# Allegro board P2597_B04_Allegro_layout.brd (continued)
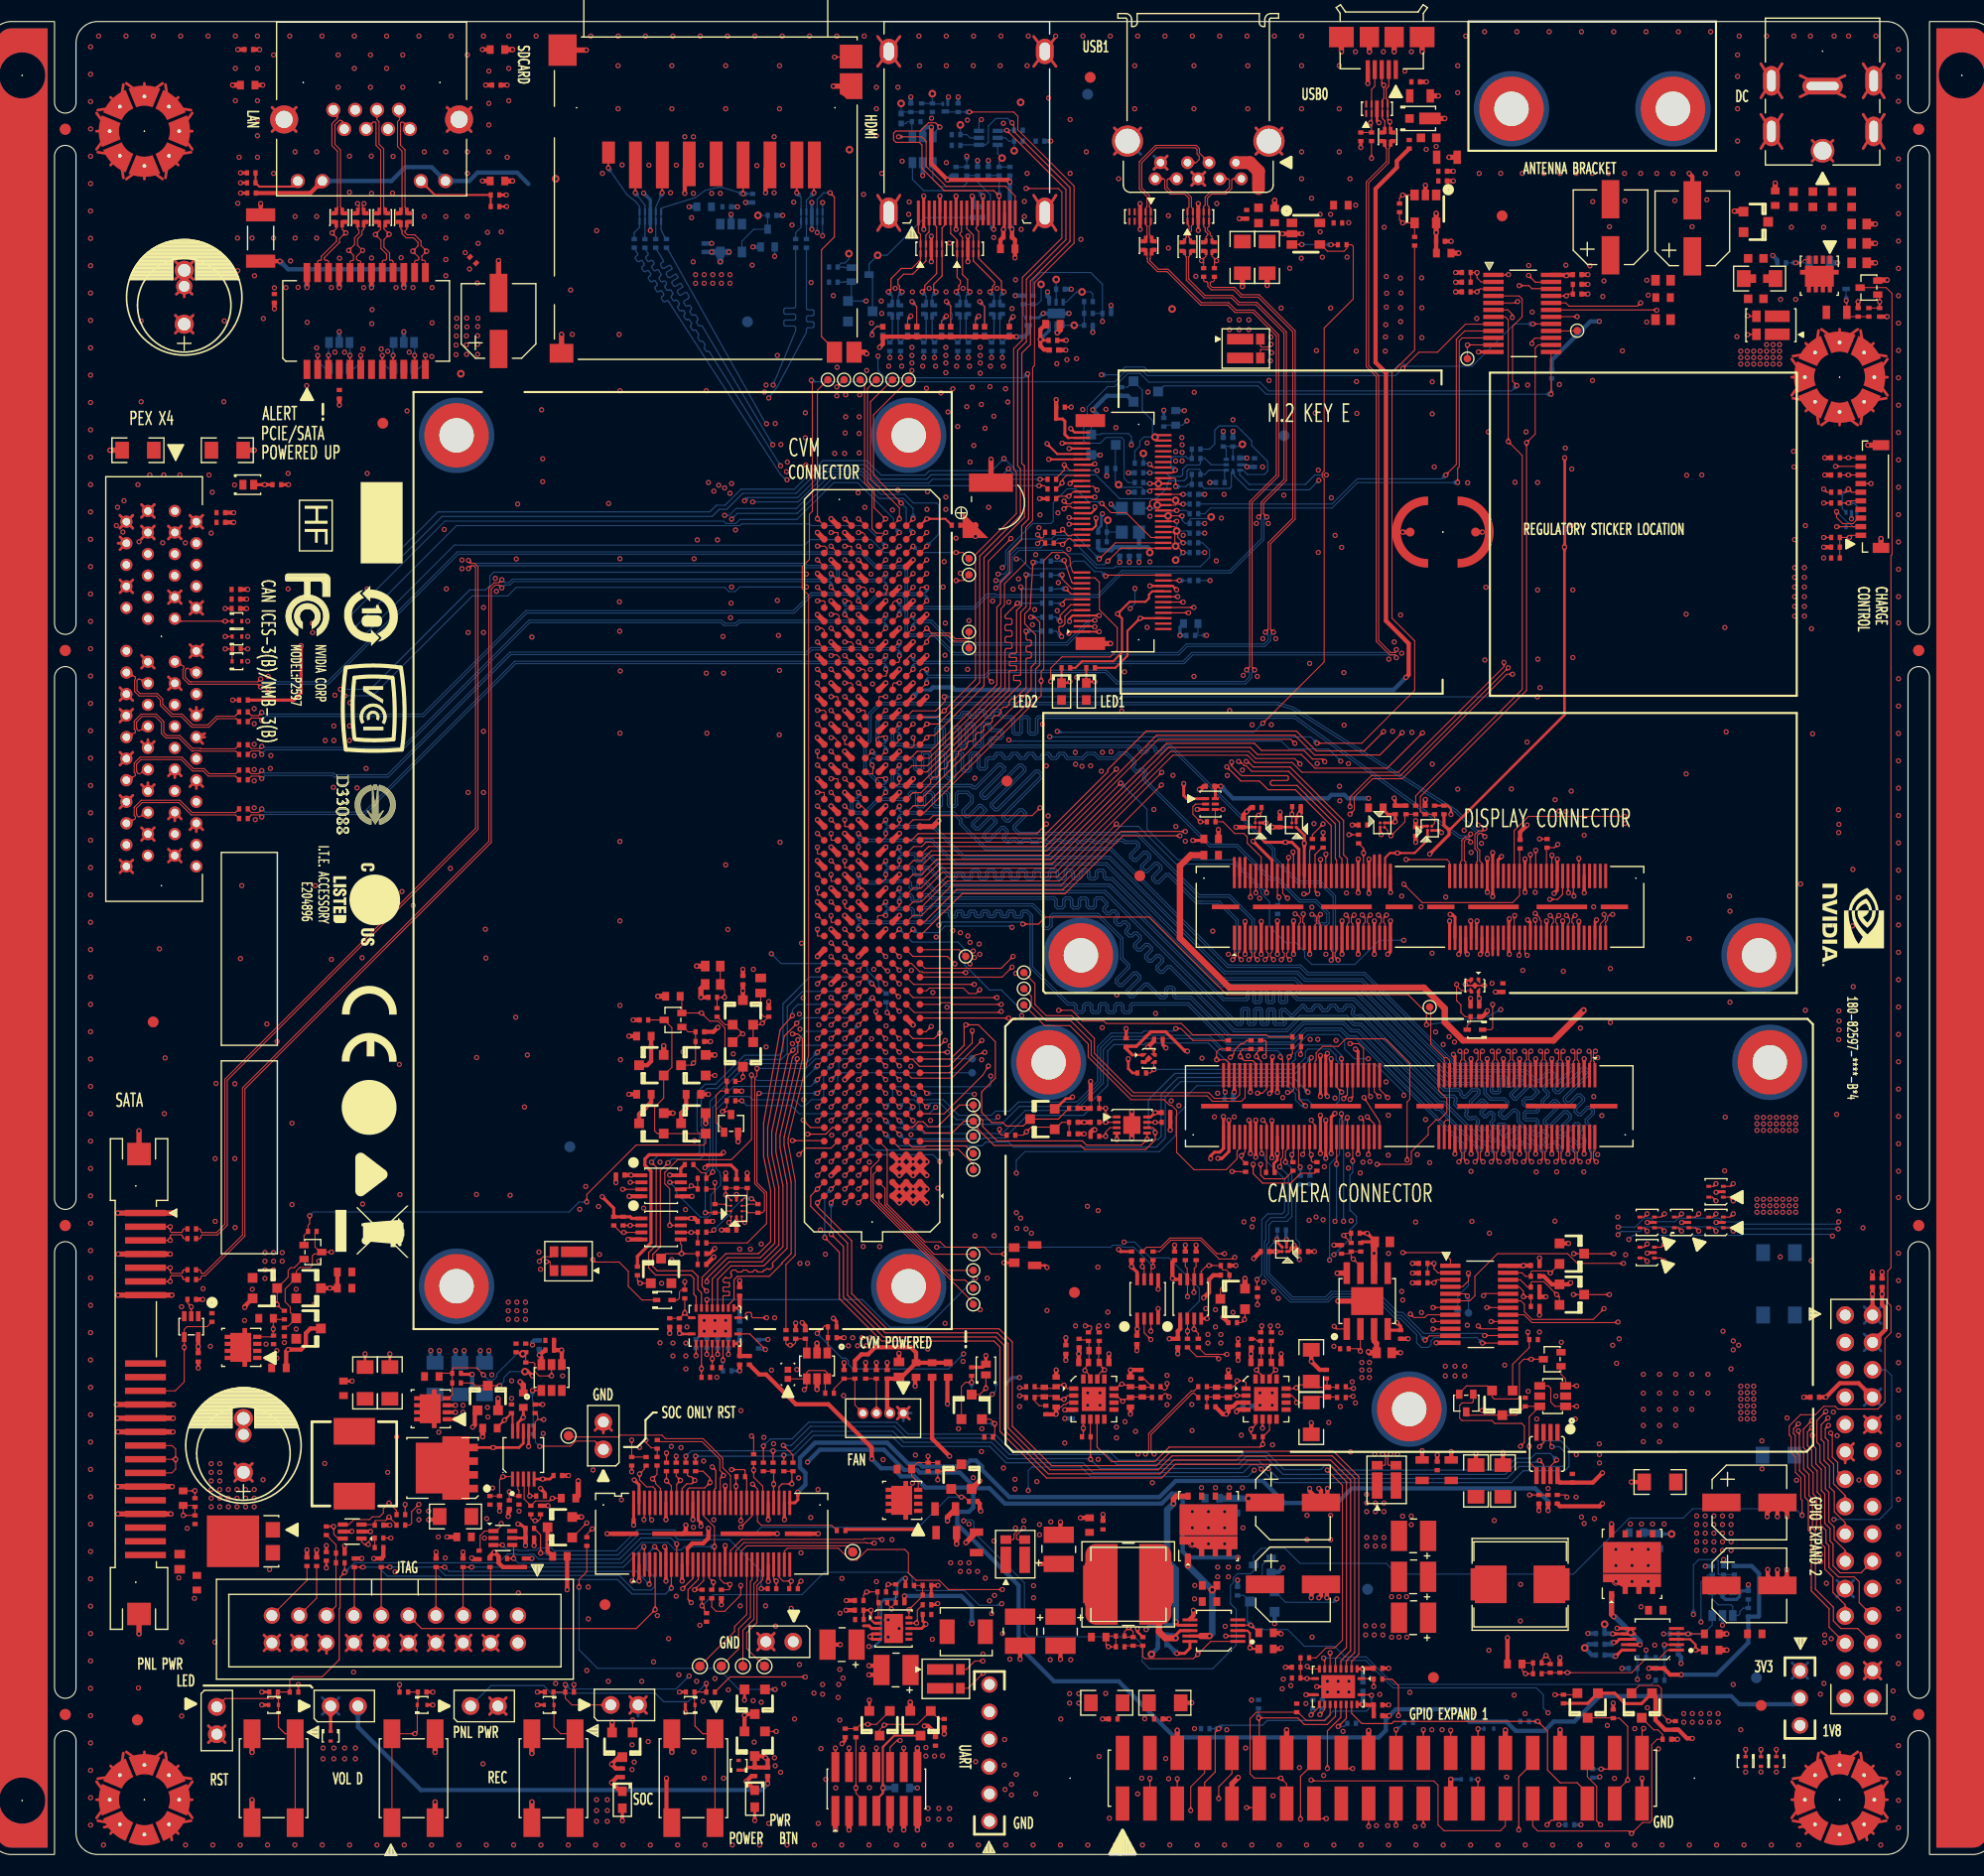
[diagram p0: board, top side]
## Placement (name value [footprint] x y rotation side) (continued)
C103  0.1uF  [0402]  110.05 55.58 90 top
C104  0.1uF  [0402]  110.35 47.48 90 top
C105  0.1uF  [0402]  112.75 146.88 90 top
C106  1uF  [0603]  113.3 24.98 180 top
C107  1uF  [0603]  113.3 23.48 180 top
C108  0.1uF  [0402]  113.35 99.18 180 top
C109  0.1uF  [0402]  113.75 146.88 90 top
C110  4.7uF  [0402_LARGE]  113.95 42.93 90 top
C111  4.7uF  [0402_LARGE]  115.05 43.88 90 top
C112  4.7uF  [0402_LARGE]  115.05 41.98 90 top
C113  100uF  [1206]  116.35 148.28 270 top
C114  1uF  [0402]  116.45 95.78 90 top
C115  0.1uF  [0402]  116.75 152.28 270 top
C116  4.7uF  [0402_LARGE]  117.6 45.68 0 top
C117  1uF  [0402]  118.45 55.98 180 top
C118  4.7uF  [0402_LARGE]  118.55 46.78 0 top
C119  1uF  [0603]  118.55 20.58 0 top
C120  4.7uF  [0603]  118.55 19.08 0 top
C121  100uF  [1206]  118.65 148.28 270 top
C122  470pF  [0603]  119.35 152.18 90 top
C123  4.7uF  [0402_LARGE]  119.5 45.68 0 top
C124  1uF  [0402]  119.85 95.78 90 top
C125  56uF  [CAP_SMD_066X066]  121.05 32.68 0 top
C126  56uF  [CAP_SMD_066X066]  121.05 25.08 0 top
C127  4.7uF  [0603]  125.5 153.13 0 top
C128  1uF  [0402]  122.05 55.98 0 top
C129  4.7uF  [1206]  122.75 45.38 270 top
C130  4.7uF  [1206]  122.75 40.48 270 top
C131  0.1uF  [0402]  125.22 151.48 0 top
C132  4.7uF  [0402_LARGE]  124.25 42.93 270 top
C133  150pF  [0402]  126.45 56.38 270 top
C134  100pF  [0402]  127.35 159.48 270 top
C135  1uF  [0402]  127.55 95.58 180 top
C136  0.1uF  [0402]  128.95 17.28 0 top
C137  0.1uF  [0402]  128.95 13.88 0 top
C138  22uF  [0603_LARGE]  129.35 56.88 0 top
C139  22uF  [0603_LARGE]  129.52 46.58 0 top
C140  1uF  [0402]  130.55 96.98 90 top
C141  1uF  [0402]  131.05 48.28 270 top
C142  220uF  [CAP_SMD_3528]  132.25 29.58 180 top
C143  220uF  [CAP_SMD_3528]  132.25 25.78 180 top
C144  220uF  [CAP_SMD_3528]  132.25 21.98 180 top
C145  10nF  [0402]  132.45 164.58 0 top
C146  1uF  [0402]  132.45 94.98 270 top
C147  4.7uF  [0805]  132.85 163.28 0 top
C148  22uF  [0805]  133.05 35.68 90 top
C149  0.1uF  [0402]  134.45 36.08 90 top
C150  0.1uF  [0402]  134.75 149.78 0 top
C151  0.1uF  [0402]  134.95 156.28 0 top
C152  4.7uF  [0603]  135.05 148.68 0 top
C153  1uF  [0805]  135.35 157.58 0 top
C154  22uF  [0805]  135.75 35.68 90 top
C155  1uF  [0402]  137.95 78.78 180 top
C156  100uF  [1206]  138.05 34.68 90 top
C157  1uF  [0402]  140.55 80.48 270 top
C158  100uF  [1206]  140.55 34.68 90 top
C159  0.1uF  [0402]  143.55 54.68 0 top
C160  0.1uF  [0402]  147 34.93 90 top
C161  150pF  [0402]  144.95 17.28 270 top
C162  0.1uF  [0402]  147.45 146.68 0 top
C163  1uF  [0603]  163.95 20.48 0 top
C164  1uF  [0603]  154.75 22.68 180 top
C165  22uF  [1206]  155.15 34.58 180 top
C166  10uF  [0603_LARGE]  155.43 146.16 180 top
C167  0.1uF  [0603]  155.43 144.55 180 top
C168  10uF  [0603_LARGE]  155.43 142.51 180 top
C169  56uF  [CAP_SMD_066X066]  158.15 150.98 90 top
C170  1uF  [0603]  159.95 20.48 0 top
C171  4.7uF  [0603]  159.95 18.98 0 top
C172  56uF  [CAP_SMD_066X066]  163.45 32.68 0 top
C173  56uF  [CAP_SMD_066X066]  163.45 24.98 0 top
C174  0.1uF  [0603]  165.85 153.78 90 top
C175  0.1uF  [0402]  169.53 42.45 180 top
C176  0.47uF  [0805]  171.55 143.18 0 top
C177  10uF  [0603_LARGE]  173.65 151.38 0 top
C178  10uF  [0603_LARGE]  173.65 149.58 0 top
C179  10uF  [0603_LARGE]  173.65 147.78 0 top
C180  0.1uF  [0402]  175.78 53.08 90 top
C181  0.1uF  [0402]  174.89 53.08 90 top
C200  56uF  [CAP_SMD_066X066]  150.55 151.08 90 top
C201  4.7uF  [0603_LARGE]  71.6 80.68 90 top
C202  0.1uF  [0402]  51.02 47.33 90 bottom
C203  0.1uF  [0402]  52 47.73 180 top
C204  10nF  [0402]  48.88 47.03 90 top
C205  100pF  [0402]  24.05 167.58 0 top
C501  4.7uF  [0805]  169.95 147.78 180 bottom
C502  0.1uF  [0402]  160 26.36 90 bottom
C503  680pF  [0603]  152.95 29.88 180 bottom
C504  0.1uF  [0402]  149.6 19.52 0 bottom
C505  0.1uF  [0402]  116.85 41.63 0 bottom
C506  0.1uF  [0402]  117.47 129.23 90 bottom
C507  0.1uF  [0402]  115.47 131.13 90 bottom
C508  680pF  [0603]  113.55 33.08 180 bottom
C509  10uF  [0603]  111.55 114.28 180 bottom
C510  0.1uF  [0402]  111.55 113.18 180 bottom
C511  10uF  [0603]  110.15 133.38 90 bottom
C512  0.1uF  [0402]  109.05 132.98 90 bottom
C513  0.1uF  [0402]  108.9 20.38 0 bottom
C514  10nF  [0402]  106.75 120.98 270 bottom
C515  0.1uF  [0402]  103.35 122.78 180 bottom
C516  0.1uF  [0402]  100.55 40.88 270 bottom
C517  0.1uF  [0402]  97.55 159.08 0 bottom
C518  0.1uF  [0402]  94.05 139.98 90 bottom
C519  0.1uF  [0402]  93.05 139.98 90 bottom
C520  4.7pF  [0402]  92.75 156.28 90 bottom
C521  4.7pF  [0402]  91.75 156.28 90 bottom
C522  12pF  [0402]  91.75 152.98 180 bottom
C523  0.1uF  [0402]  90.9 139.98 90 bottom
C524  0.1uF  [0402]  89.9 139.98 90 bottom
C525  0.1uF  [0402]  87.75 139.98 90 bottom
C526  0.1uF  [0402]  86.75 139.98 90 bottom
C527  12pF  [0402]  86.05 160.88 0 bottom
C528  12pF  [0402]  85.55 162.18 90 bottom
C529  1uF  [0603]  84.75 6.18 0 bottom
C530  0.1uF  [0402]  84.6 139.98 90 bottom
C531  0.1uF  [0402]  83.6 139.98 90 bottom
C532  12pF  [0402]  70.85 153.78 270 bottom
C533  0.1uF  [0402]  68.45 152.98 0 bottom
C534  10uF  [0603]  66.35 152.98 180 bottom
C535  1uF  [0402]  66.35 149.18 90 bottom
C536  100uF  [1206]  45.95 44.18 90 bottom
C537  100uF  [1206]  43.65 44.18 90 bottom
C538  100uF  [1206]  41.35 44.18 90 bottom
CR1  -  [LED_SMD_0603_ST]  58.75 5.08 90 top
CR2  -  [LED_SMD_0603_ST]  71.05 5.18 90 top
CR3  -  [LED_SMD_0603_ST]  99.55 107.98 90 top
CR4  -  [LED_SMD_0603_ST]  101.85 107.98 90 top
CR5  -  [LED_SMD_0402_ST]  92.52 45.03 270 top
CR6  -  [LED_SMD_0402_ST]  24 127.18 180 top
CR501  -  [SOT323]  80.85 146.68 270 bottom
D1  -  [DIODE_SMD_TO277A]  23.55 29.08 90 top
D2  -  [DIODE_SMD_SOD923]  26.35 13.88 180 top
D3  -  [DIODE_SMD_SOD923]  40.15 13.88 0 top
D4  -  [DIODE_SMD_SOD923]  51.95 13.88 180 top
D5  -  [SOT323]  63.45 77.48 270 top
D6  -  [DIODE_SMD_SOD923]  65.05 13.88 180 top
D7  -  [SOT23]  69.95 78.18 0 top
D8  -  [TSLP10_P050_025X010]  106.85 152.08 180 top
D9  -  [TSLP10_P050_025X010]  112.25 152.08 0 top
D10  -  [TSLP10_P050_025X010]  128.85 162.08 0 top
D11  -  [DIODE_SMD_025X013]  132.85 161.18 180 top
D12  -  [DIODE_SMD_SOD523_B]  137.95 76.58 180 top
D13  -  [SOT23]  164.05 151.58 270 top
D14  -  [DIODE_SMD_SOD923]  31.65 10.98 270 top
D15  -  [DIODE_SMD_SOD923]  69.55 8.28 90 top
D16  -  [DIODE_SMD_SOD523_B]  62.65 51.48 0 top
D17  VAL  [DIODE_SMD_010X060]  74.12 44.58 90 top
D18  -  [SOT323]  30 55.93 90 top
D19  -  [DIODE_SMD_SOD923]  22.95 114.5 0 top
D20  -  [DIODE_SMD_SOD923]  22.95 113.08 0 top
D21  -  [DIODE_SMD_SOD923]  22.95 110.78 0 top
D22  -  [SOT553]  157.15 58.68 90 top
D23  -  [SOT553]  153.95 55.88 90 top
D24  -  [SOT553]  153.95 58.68 90 top
D25  -  [SOT553]  160.35 58.68 90 top
D26  -  [SOT553]  160.35 61.53 90 top
D27  -  [DIODE_SMD_SOD923]  165.95 8.63 270 top
D28  -  [DIODE_SMD_SOD923]  164.53 8.63 270 top
D29  -  [DIODE_SMD_SOD923]  163.1 8.63 270 top
D30  -  [DIODE_SMD_SOD923]  93.91 43.69 0 bottom
D31  -  [DIODE_SMD_SOD523_B]  173.15 145.36 0 bottom
D32  -  [DIODE_SMD_SOD923]  137.15 6.98 180 bottom
D33  -  [DIODE_SMD_SOD923]  139.25 11.68 0 bottom
D34  -  [SOT553]  172.92 123.93 0 bottom
D501  -  [TSLP10_P050_025X010]  90.85 149.08 0 top
D502  -  [TSLP10_P050_025X010]  87.45 149.08 0 top
D503  -  [SOT23_6]  86.65 158.28 180 bottom
D504  -  [TSLP10_P050_025X010]  76.35 152.08 0 bottom
D505  -  [TSLP10_P050_025X010]  61.35 152.08 0 bottom
D506  -  [SOT23_6]  38.45 139.18 0 bottom
D507  -  [SOT23_6]  32.45 139.18 0 bottom
F1  0ohm  [1206]  103.75 14.08 0 top
F2  0ohm  [1206]  109.15 14.08 0 top
F3  0ohm  [1206]  166.2 50.08 0 bottom
F4  0ohm  [1206]  166.2 55.88 0 bottom
F5  0ohm  [1206]  166.15 37.08 0 bottom
J1  -  [CON_SATA_022_SMT_RA_F_P013]  13.85 43.68 270 top
J2  -  [CON_PEX_064_SMT_ST]  17.18 124.74 270 top
J3  -  [CON_HDR_001X002_TH_ST_M_P025]  21.07 13.71 90 top
J4  -  [CON_HDR_001X002_TH_ST_M_P025]  31.65 13.78 180 top
J5  -  [CON_MJ08_012_TH_RA_2LED]  31.9 161.98 180 top
J6  -  [CON_HDR_001X002_TH_ST_M_P025]  44.65 13.78 180 top
J7  -  [CON_HDR_002X010_TH_ST_M_P025_SHR]  49.05 22.18 0 top
J8  -  [CON_HDR_001X002_TH_ST_M_P025]  56.98 37.61 270 top
J9  -  [CON_HDR_001X002_TH_ST_M_P025]  57.68 13.88 180 top
J10  -  [CON_QSH_060_SMT_ST_P005]  67.05 29.78 0 top
J11  -  [CON_HDR_001X002_TH_ST_M_P025]  74.62 19.76 0 top
J12  -  [CON_SD_012_SMD_RA]  78.5 162.18 90 top
J13  -  [CON_FMC_050X008_BGA_ST_M_P013]  81.95 91.81 90 top
J14  -  [CON_FTSH_002X007_SMD_ST_M_P013]  82.35 6.08 0 top
J15  -  [CON_MISC_004_TH_ST_M_P013_WTB]  84.85 40.98 0 top
J16  -  [CON_HDMI_019_SMD_RA_F_C]  90.75 160.83 180 top
J17  -  [CON_HDR_001X006_TH_ST_M_P025]  92.85 3.08 90 top
J18  -  [CON_MINIPEX_067_SMT_RA_M2]  105.35 122.78 90 top
J19  -  [CON_USB_009_TH_RA_138X165]  115.75 157.08 180 top
J20  -  [CON_USB_005_SMD_RA_F_074X056]  129.3 168.43 180 top
J21  -  [CON_TSM_002X020_SMD_ST_M_P025]  129.35 7.08 0 top
J22  -  [CON_QSH_120_SMT_ST_P005]  131.85 69.48 180 top
J23  -  [CON_QSH_120_SMT_ST_P005]  132.85 87.98 0 top
J24  -  [CON_HDR_001X003_TH_ST_M_P025_C]  168.15 17.06 270 top
J25  -  [CON_DCPWR_JACK_006_TH_RA_100X130]  170.25 158.18 0 top
J26  -  [CON_HDR_002X015_TH_ST_M_P025]  172.35 50.08 270 top
J27  -  [CON_MISC_010_SMD_RA_F_P008_WTB]  174.95 126.08 90 top
L1  90ohm  [IND_NONRKO_SMD_012X010]  32.45 151.98 0 top
L2  2.2uH  [IND_NONRKO_SMD_076X076]  33.85 36.28 270 top
L3  90ohm  [IND_NONRKO_SMD_012X010]  34.45 151.98 0 top
L4  90ohm  [IND_NONRKO_SMD_012X010]  36.45 151.98 0 top
L5  90ohm  [IND_NONRKO_SMD_012X010]  38.45 151.98 0 top
L6  1uH  [IND_NONRKO_SMD_044X041]  90.7 20.68 0 top
L7  1uH  [IND_NONRKO_SMD_073X066]  105.75 25.08 180 top
L8  2.2uH  [IND_NONRKO_SMD_065X069]  105.76 25.08 180 top
L9  2.2uH  [IND_NONRKO_SMD_078X072]  105.76 25.08 90 top
L10  90ohm  [IND_NONRKO_SMD_012X010]  107.65 149.38 0 top
L11  80ohm  [IND_NONRKO_SMD_012X010_B]  111.25 149.28 270 top
L12  80ohm  [IND_NONRKO_SMD_012X010_B]  113.25 149.28 270 top
L13  90ohm  [IND_NONRKO_SMD_012X010]  129.85 159.48 0 top
L15  1uH  [IND_NONRKO_SMD_088X084]  142.15 25.08 180 top
L16  1uH  [IND_NONRKO_SMD_073X066]  142.15 25.08 180 top
L501  12ohm  [IND_NONRKO_SMD_012X010]  93.55 143.43 180 bottom
L502  1nH  [IND_SMD_0402]  91.75 151.98 0 bottom
L503  12ohm  [IND_NONRKO_SMD_012X010]  90.4 143.43 180 bottom
L504  12ohm  [IND_NONRKO_SMD_012X010]  87.25 143.43 180 bottom
L505  1nH  [IND_SMD_0402]  84.65 161.18 270 bottom
L506  12ohm  [IND_NONRKO_SMD_012X010]  84.1 143.43 180 bottom
LB1  600ohm  [IND_SMD_0402]  82.95 141.38 90 top
LB2  600ohm  [IND_SMD_0402]  85.25 141.38 90 top
LB3  600ohm  [IND_SMD_0402]  86.1 141.38 90 top
LB4  600ohm  [IND_SMD_0402]  88.4 141.38 90 top
LB5  600ohm  [IND_SMD_0402]  89.25 141.38 90 top
LB6  600ohm  [IND_SMD_0402]  91.55 141.38 90 top
LB7  600ohm  [IND_SMD_0402]  92.4 141.38 90 top
LB8  600ohm  [IND_SMD_0402]  94.7 141.38 90 top
LB9  30ohm  [IND_SMD_0402]  98.85 139.68 180 top
LB10  220ohm  [IND_SMD_0603]  117.85 152.18 90 top
LB11  220ohm  [IND_SMD_0603]  133.65 159.38 180 top
LB12  30ohm  [IND_SMD_0603]  164.05 148.19 180 top
LB13  30ohm  [IND_SMD_0603]  164.4 146.32 180 top
LB14  30ohm  [IND_SMD_0603]  164.05 144.44 180 top
LB15  30ohm  [IND_SMD_0603]  167.55 153.68 270 top
LB16  30ohm  [IND_SMD_0603]  169.35 153.68 270 top
LB17  30ohm  [IND_SMD_0603]  171.15 153.68 270 top
LB18  30ohm  [IND_SMD_0603]  172.95 153.68 270 top
MEC1  -  [MTH_MB_C300NP156_NEW]  14.35 160 0 top
MEC2  -  [MTH_MB_C300NP156_NEW]  14.35 5.08 0 top
MEC3  -  [MEC_HOLE_PTH_599C_INT422C_B701C320P]  43.35 131.76 0 top
MEC4  -  [MEC_HOLE_PTH_599C_INT422C_B701C320P]  43.35 52.76 0 top
MEC5  -  [MEC_HOLE_PTH_599C_INT422C_B701C320P]  85.35 131.76 0 top
MEC6  -  [MEC_HOLE_PTH_599C_INT422C_B701C320P]  85.35 52.76 0 top
MEC7  -  [MEC_HOLE_PTH_599C_INT422C_B701C320P]  98.35 73.55 0 top
MEC8  -  [MEC_HOLE_PTH_599C_INT422C_B701C320P]  101.35 83.48 0 top
MEC9  -  [MEC_HOLE_PTH_599C_INT422C_B701C320P]  131.85 41.35 0 top
MEC10  -  [MEC_HOLE_PEM_NTH_430P]  134.97 122.78 0 top
MEC11  -  [MEC_HOLE_PTH_599C_INT422C_B701C320P]  164.35 83.48 0 top
MEC12  -  [MEC_HOLE_PTH_599C_INT422C_B701C320P]  165.35 73.55 0 top
MEC13  -  [MTH_MB_C300NP156_NEW]  171.83 137.16 0 top
MEC14  -  [MTH_MB_C300NP156_NEW]  171.83 5.08 0 top
MEC15  -  [MEC_HOLE_PTH_599C_INT422C_B701C320P]  141.35 162.08 0 top
MEC16  -  [MEC_HOLE_PTH_599C_INT422C_B701C320P]  156.35 162.08 0 top
NOREF  -  []  154.31 17.06 0 top
NOREF#2  -  []  50.69 35.56 90 top
NOREF#3  -  []  35.2 63.13 270 top
NOREF#4  -  []  146.2 32.53 90 top
NOREF#5  -  []  108.7 50.31 90 top
NOREF#6  -  []  28.75 125.73 270 top
NOREF#7  -  []  173.05 86.38 270 top
NOREF#8  -  []  34.3 127.58 270 top
NOREF#9  -  []  48 35.53 90 top
NOREF#10  -  []  144.6 147.03 0 top
NOREF#11  -  []  63.8 59.66 0 top
NOREF#12  -  []  106.42 49.45 90 top
NOREF#13  -  []  35.75 88.63 270 top
NOREF#14  -  []  33.82 45.76 0 top
NOREF#15  -  []  64.17 57.1 90 top
NOREF#16  -  []  111.88 53.41 0 top
NOREF#17  -  []  63.51 59.7 90 top
NOREF#18  -  []  146.13 139.45 90 top
NOREF#19  -  []  64.17 61.1 90 top
NOREF#20  -  []  113.56 17.86 0 top
NOREF#21  -  []  50.53 -69.06 0 top
NOREF#22  -  []  84 168.15 0 top
NOREF#23  -  []  35.35 114.98 270 top
NOREF#24  -  []  138.62 139.78 90 top
NOREF#25  -  []  29.15 105.33 270 top
NOREF#26  -  [unnamed#2]  15.17 77.3 0 top
NOREF#27  -  []  35.8 97.43 270 top
NOREF#28  -  []  105.97 53.03 0 top
NOREF#29  -  []  48.4 34.55 90 top
NOREF#30  -  []  136.1 55.03 90 top
NOREF#31  -  []  100.1 144.13 90 top
NOREF#32  -  []  140.52 139.45 0 top
NOREF#33  -  []  50.69 34.16 90 top
NOREF#34  -  []  63.15 55.7 0 top
NOREF#35  -  []  112.15 16.13 90 top
NOREF#36  -  []  48 38.63 0 top
NOREF#37  -  [unnamed#2]  13.7 12.5 0 top
NOREF#38  -  []  112.15 22.33 0 top
NOREF#39  -  []  49.41 34.16 0 top
NOREF#40  -  []  60.9 59.66 90 top
NOREF#41  -  []  140.1 147.03 90 top
NOREF#42  -  []  -92.07 -124.49 0 top
NOREF#43  -  []  24.1 64.73 270 top
NOREF#44  -  [unnamed#2]  57.14 23.19 0 top
NOREF#45  -  []  155.59 18.46 90 top
NOREF#46  -  []  146.13 141.35 90 top
NOREF#47  -  []  145.42 34.39 0 top
NOREF#48  -  []  35.7 106.58 270 top
NOREF#49  -  []  153.3 17.45 90 top
NOREF#50  -  [unnamed#2]  134.1 16.43 0 top
NOREF#51  -  []  155.59 17.06 90 top
NOREF#52  -  [unnamed#2]  102.21 165 0 top
NOREF#53  -  []  61.23 59.95 90 top
NOREF#54  -  []  172.5 79.73 270 top
NOREF#55  -  []  63.51 55.7 90 top
NOREF#56  -  []  112.7 49.2 90 top
NOREF#57  -  []  142.13 47.45 90 top
NOREF#58  -  []  105.97 50.13 90 top
NOREF#59  -  [unnamed#2]  36.5 132.88 0 top
NOREF#60  -  []  36.32 57.86 270 top
NOREF#61  -  []  63.8 63.66 0 top
NOREF#62  -  []  140.6 55.03 0 top
NOREF#63  -  []  143.1 38.73 0 top
NOREF#64  -  []  145.83 35.96 90 top
NOREF#65  -  [unnamed#2]  94.48 99.66 0 top
NOREF#66  -  []  145.83 34.39 90 top
NOREF#67  -  [unnamed#2]  100.75 52.18 0 top
NOREF#68  -  [unnamed#3]  14.35 5.08 0 top
NOREF#69  -  []  141.03 50.75 90 top
NOREF#70  -  []  152.9 21.53 0 top
NOREF#71  -  []  98 144.13 0 top
NOREF#72  -  []  114.84 19.26 90 top
NOREF#73  -  []  152.23 20.48 90 top
NOREF#74  -  []  134.62 47.78 90 top
NOREF#75  -  []  110.42 49.45 90 top
NOREF#76  -  []  112.7 50.31 90 top
NOREF#77  -  []  143.48 34.65 90 top
NOREF#78  -  [unnamed#2]  106.82 90.86 0 top
NOREF#79  -  []  63.15 59.7 0 top
NOREF#80  -  []  63.51 56.81 90 top
NOREF#81  -  []  35.25 77.98 270 top
NOREF#82  -  []  24.1 84.08 270 top
NOREF#83  -  []  145.03 142.76 90 top
NOREF#84  -  []  61.23 55.95 90 top
NOREF#85  -  []  112.55 18.26 90 top
NOREF#86  -  []  152.9 15.33 90 top
NOREF#87  -  [unnamed#2]  164.54 13.84 0 top
NOREF#88  -  []  50.05 39.3 0 top
NOREF#89  -  []  108.7 49.2 90 top
NOREF#90  -  []  63.51 60.81 90 top
NOREF#91  -  []  108.34 49.2 0 top
NOREF#92  -  []  114.84 17.86 90 top
NOREF#93  -  []  142.13 49.35 90 top
NOREF#94  -  []  109.97 50.13 90 top
NOREF#95  -  []  387.67 -117.39 0 top
NOREF#96  -  []  60.9 63.66 90 top
NOREF#97  -  []  136.52 47.45 0 top
NOREF#98  -  [unnamed#2]  140.48 152.14 0 top
NOREF#99  -  []  107.88 53.41 0 top
NOREF#100  -  []  111.48 21.28 90 top
NOREF#101  -  []  109.97 53.03 0 top
NOREF#102  -  []  112.34 49.2 0 top
NOREF#103  -  []  248.55 182.59 0 top
NOREF#104  -  []  143.67 35.17 0 top
NOREF#105  -  []  37.66 5.99 180 bottom
NOREF#106  -  [unnamed#2]  164.1 16.41 180 bottom
NOREF#107  -  [unnamed#2]  53.88 65.7 180 bottom
NOREF#108  -  [unnamed#2]  120.22 131.73 180 bottom
NOREF#109  -  [unnamed#2]  13.7 12.48 180 bottom
NOREF#110  -  [unnamed#2]  70.38 142.31 180 bottom
NOREF#111  -  [unnamed#2]  127.98 24.62 180 bottom
NOREF#112  -  [unnamed#2]  101.97 163.43 180 bottom
Q1  -  [DFET_SMD_032X033]  23.35 47.08 90 top
Q2  -  [SOT23]  25.54 52.58 270 top
Q3  -  [DFET_SMD_032X033]  40.95 41.38 90 top
Q4  -  [MULTI_SMD_SOT669_LFPAK_B]  42.05 35.88 90 top
Q5  -  [SOT23]  46.25 42.38 0 top
Q6  -  [SOT23]  52.95 30.38 90 top
Q7  -  [SOT23]  58.75 10.18 180 top
Q8  -  [SOT23]  61.45 73.28 90 top
Q9  -  [SOT23]  61.45 67.88 90 top
Q10  -  [SOT23]  62.35 54.18 0 top
Q11  -  [SOT23]  65.35 73.28 90 top
Q12  -  [SOT23]  65.35 67.88 90 top
Q13  -  [SOT323]  68.85 67.88 180 top
Q14  -  [SOT23]  69.95 74.28 180 top
Q15  -  [SOT23]  71.05 14.18 180 top
Q16  -  [SOT23]  71.05 10.28 180 top
Q17  -  [SOT23_6]  76.83 45.36 180 top
Q18  -  [SOT23]  82.65 12.18 180 top
Q19  -  [DFET_SMD_032X033]  84.75 32.88 90 top
Q20  -  [SOT23]  86.45 12.18 180 top
Q21  -  [SOT23]  90.25 35.08 0 top
Q22  -  [SOT23]  97.77 68.28 90 top
Q23  -  [DFET_SMD_056X052_VIAS]  113.2 30.48 0 top
Q24  -  [SOT23]  115.45 51.58 90 top
Q25  -  [SOT23]  146.95 55.78 270 top
Q26  -  [SOT23]  146.95 51.98 270 top
Q27  -  [SOT23]  148.42 13.83 180 top
Q28  -  [SOT23]  153.45 13.83 180 top
Q29  -  [DFET_SMD_056X052_VIAS]  152.55 26.98 0 top
Q30  -  [DFET_SMD_032X033]  169.95 146.58 180 top
Q31  -  [SOT323]  174.55 145.48 270 top
Q32  -  [SOT23]  91.2 41.55 180 bottom
Q33  -  [SOT23]  91.2 41.55 0 top
Q34  -  [SOT23]  29.6 48.83 270 top
Q35  -  [SOT23]  29.6 52.58 270 top
Q36  -  [SOT323]  137.15 41.91 0 top
Q37  -  [SOT23]  140.5 41.93 180 top
Q38  -  [SOT23_6]  145.17 42.55 90 top
Q39  -  [SOT23]  107.38 135.83 90 bottom
Q40  -  [SOT323]  145.12 45.98 270 top
Q501  -  [SOT23_6]  160.95 23.38 0 bottom
Q502  -  [SOT323]  118.2 26.88 90 bottom
Q503  -  [SOT23]  118.2 23.48 270 bottom
Q504  -  [SOT23]  103.45 130.88 90 bottom
Q505  -  [DFET_003_SMD_010X006_B]  96.45 142.33 90 bottom
Q506  -  [SC70_6]  92.75 159.38 90 bottom
Q507  -  [DFET_003_SMD_010X006_B]  88.75 162.18 90 bottom
Q508  -  [SOT23]  80.85 143.28 90 bottom
Q509  -  [SOT323]  72.25 150.08 0 bottom
R1  49.9k  [0402]  19.05 32.68 90 top
R2  10ohm  [0402]  19.05 31.08 90 top
R3  10k  [0402]  22.85 115.68 0 top
R6  0ohm  [0402]  22.9 111.93 180 top
R7  100k  [0402]  23.55 107.18 180 top
R8  0ohm  [0603]  23.95 164.28 0 top
R10  681ohm  [0402]  24.27 155.21 0 top
R11  75k  [0402]  26.35 47.78 90 top
R12  0ohm  [0402]  26.42 144.48 90 top
R13  4.7k  [0402]  27.35 50.08 90 top
R14  0ohm  [0402]  28.25 15.08 0 top
R15  10k  [0402]  29.45 27.18 90 top
R16  10k  [0402]  30.35 27.18 90 top
R17  0ohm  [0402]  31.25 30.05 90 top
R18  0ohm  [0402]  31.95 151.98 90 top
R19  47k  [0402]  32.55 27.98 180 top
R20  0ohm  [0402]  32.55 27.08 180 top
R21  0ohm  [0402]  32.95 151.98 90 top
R22  47k  [0402]  33.85 27.08 90 top
R23  0ohm  [0402]  33.95 151.98 90 top
R24  0ohm  [0402]  34.95 151.98 90 top
R25  0ohm  [0402]  35.95 151.98 90 top
R26  0ohm  [0402]  36.15 28.5 0 top
R27  47k  [0402]  36.15 30.58 0 top
R28  0ohm  [0402]  36.15 29.38 180 top
R29  47k  [0402]  36.35 27.08 90 top
R30  0ohm  [0402]  36.95 151.98 90 top
R31  0ohm  [0402]  37.95 151.98 90 top
R32  0ohm  [0402]  38.17 31.55 0 top
R33  0ohm  [0402]  38.17 30.58 180 top
R34  0ohm  [0402]  38.45 15.08 180 top
R35  0ohm  [0402]  38.95 151.98 90 top
R36  47k  [0402]  41.45 27.08 270 top
R37  75k  [0402]  43.35 44.68 180 top
R38  10k  [0402]  43.35 43.78 0 top
R39  47k  [0402]  43.95 27.08 270 top
R40  0ohm  [0402]  44.88 148.03 135 top
R41  0ohm  [0402]  45.44 27.8 270 top
R42  0ohm  [0402]  46.45 32.88 90 top
R43  10k  [0402]  46.45 27.08 270 top
R44  681ohm  [0402]  46.93 153.01 180 top
R45  0ohm  [0402]  47.05 164.28 180 top
R46  0ohm  [0603]  47.15 167.58 180 top
R47  0ohm  [0603]  47.15 155.38 180 top
R48  10k  [0402]  47.65 27.48 0 top
R49  100k  [0402]  48.25 32.48 270 top
R50  20ohm  [0402]  48.45 41.38 270 top
R51  100k  [0402]  49.15 32.88 90 top
R52  0ohm  [0402]  50.15 30.28 180 top
R53  2.21k  [0402]  50.25 31.98 270 top
R54  16.2k  [0402]  50.65 41.38 90 top
R55  5.9k  [0402]  51.15 33.28 0 top
R56  0ohm  [0402]  52.75 35.18 0 top
R57  47ohm  [0603]  52.95 27.68 180 top
R58  0.01ohm  [RES_04_SMD_015X032]  53.75 55.08 90 top
R59  0ohm  [0402]  53.85 15.08 0 top
R60  330ohm  [0402]  58.75 7.58 90 top
R61  0ohm  [0402]  59.62 36.5 90 top
R62  100k  [0402]  60.15 54.18 270 top
R63  100k  [0402]  60.75 77.48 180 top
R64  100ohm  [0603]  60.75 75.98 0 top
R65  47ohm  [0603]  60.75 70.58 0 top
R66  0ohm  [0402]  60.96 36.5 90 top
R67  0ohm  [0402]  61.97 36.51 90 top
R68  0ohm  [0402]  61.99 38.08 270 top
R69  0ohm  [0402]  62.85 35.98 90 top
R70  20k  [0402]  63.15 49.38 90 top
R71  0ohm  [0402]  63.75 35.98 90 top
R72  1M  [0402]  64.05 49.38 90 top
R73  0ohm  [0402]  64.65 35.98 90 top
R74  0ohm  [0402]  64.95 64.06 180 top
R75  36ohm  [0603]  65.35 70.58 180 top
R76  0ohm  [0402]  65.55 35.98 90 top
R77  47k  [0402]  65.95 76.38 180 top
R78  100k  [0402]  65.95 75.48 0 top
R79  0ohm  [0402]  66.15 62.78 180 top
R80  0ohm  [0402]  66.15 61.78 180 top
R81  0ohm  [0402]  66.15 57.78 0 top
R82  0ohm  [0402]  66.15 56.78 0 top
R83  100k  [0402]  66.15 55.78 0 top
R84  0ohm  [0402]  66.15 54.78 0 top
R85  0ohm  [0402]  66.15 24.18 270 top
R86  0ohm  [0402]  66.95 15.08 0 top
R87  0ohm  [0402]  67.05 24.18 270 top
R88  10M  [0402]  67.15 79.58 180 top
R89  0ohm  [0402]  67.35 59.98 90 top
R90  0ohm  [0402]  67.55 78.18 90 top
R91  0ohm  [0402]  67.95 24.18 90 top
R92  10k  [0402]  68.35 62.28 270 top
R93  10k  [0402]  68.85 71.78 180 top
R94  100k  [0402]  68.85 70.88 0 top
R95  0ohm  [0402]  68.85 69.98 180 top
R96  10k  [0402]  69.35 62.28 270 top
R97  0ohm  [0402]  69.75 35.08 0 top
R98  10k  [0402]  69.95 81.18 90 top
R99  1M  [0402]  70.35 62.28 90 top
R100  0ohm  [0402]  70.55 45.88 270 top
R101  330ohm  [0402]  71.05 7.68 90 top
R102  0ohm  [0402]  71.35 59.98 90 top
R103  0ohm  [0402]  71.85 35.98 90 top
R104  330ohm  [0402]  72.25 7.68 90 top
R105  100k  [0402]  72.35 78.18 90 top
R106  0ohm  [0402]  72.65 24.68 0 top
R107  0ohm  [0402]  72.75 35.98 90 top
R108  0ohm  [0402]  73.75 35.98 90 top
R109  0ohm  [0402]  73.95 48.28 270 top
R110  0ohm  [0402]  74.6 35.98 90 top
R111  0ohm  [0402]  74.65 24.68 180 top
R112  100k  [0402]  74.85 48.28 270 top
R113  100k  [0402]  75.75 48.28 90 top
R114  100k  [0402]  78.25 48.98 0 top
R115  4.7k  [0402]  78.25 47.98 180 top
R116  47k  [0402]  79.45 11.28 270 top
R117  10k  [0402]  80.35 44.58 270 top
R118  10k  [0402]  80.45 11.28 270 top
R119  20k  [0402]  80.75 23.58 180 top
R120  0ohm  [0402]  80.77 21.81 0 top
R121  100k  [0402]  82.35 44.58 270 top
R122  0ohm  [0402]  82.85 24.38 180 top
R123  25.5k  [0402]  82.95 23.38 180 top
R124  10ohm  [0402]  84.55 23.38 180 top
R125  1.8k  [0402]  85.45 24.98 180 top
R126  0ohm  [0603]  86.03 44.98 90 top
R127  100k  [0402]  87.05 24.98 0 top
R128  100k  [0402]  87.05 23.18 180 top
R129  75k  [0402]  87.15 35.98 90 top
R130  0ohm  [0603]  87.52 44.98 90 top
R131  4.7k  [0402]  88.05 35.98 270 top
R132  100k  [0402]  88.65 12.18 90 top
R133  0.01ohm  [RES_04_SMD_015X032]  88.8 16.3 270 top
R134  0ohm  [0603]  89.02 44.98 90 top
R135  0ohm  [0402]  89.75 123.41 180 top
R136  1M  [0402]  91.35 32.78 0 top
R137  0ohm  [0402]  94.85 66.78 0 top
R138  0.01ohm  [RES_04_SMD_015X032]  95.25 27.88 0 top
R139  10ohm  [0402]  96.65 43.43 180 top
R140  10ohm  [0402]  96.65 42.43 180 top
R141  680k  [0402]  98.09 41.26 270 top
R142  0ohm  [0402]  98.65 127.68 180 top
R143  0ohm  [0402]  98.65 126.78 180 top
R144  47k  [0402]  98.65 125.88 0 top
R145  0ohm  [0402]  99.45 134.38 0 top
R146  330ohm  [0402]  99.95 110.18 180 top
R147  0ohm  [0402]  99.95 46.88 90 top
R148  10k  [0402]  100.65 69.28 180 top
R149  10k  [0402]  100.65 67.98 180 top
R150  0ohm  [0402]  100.65 66.91 180 top
R151  680k  [0402]  101.18 47.48 270 top
R152  0ohm  [0402]  101.85 38.78 180 top
R153  10ohm  [0402]  102.05 48.08 90 top
R154  330ohm  [0402]  102.25 110.18 180 top
R155  10k  [0402]  102.65 70.18 180 top
R156  10k  [0402]  102.65 69.28 0 top
R157  10k  [0402]  102.65 67.98 0 top
R158  10k  [0402]  102.65 66.68 0 top
R159  10ohm  [0603]  103 20.18 0 top
R160  10ohm  [0402]  103.05 48.08 90 top
R161  1k  [0402]  105 20.28 0 top
R162  71.5k  [0402]  105 19.28 0 top
R163  680k  [0402]  106.93 44.59 90 top
R164  47k  [0402]  107 72.55 180 top
R165  0ohm  [0402]  107.05 55.58 270 top
R166  21.5k  [0402]  107.1 19.78 90 top
R167  0ohm  [0402]  107.15 149.38 90 top
R168  0ohm  [0402]  108.05 55.58 270 top
R169  0ohm  [0402]  108.15 149.38 90 top
R170  10ohm  [0402]  108.35 43.43 0 top
R171  10ohm  [0402]  108.35 42.43 0 top
R172  10k  [0402]  109.25 67.98 0 top
R173  0ohm  [0402]  110.75 149.28 90 top
R174  100k  [0402]  111.05 55.58 90 top
R175  0ohm  [0402]  111.25 47.48 90 top
R176  0ohm  [0402]  111.75 149.28 90 top
R177  100k  [0402]  112.05 55.58 90 top
R178  0ohm  [0402]  112.25 47.48 90 top
R179  10ohm  [0402]  112.65 43.43 180 top
R180  10ohm  [0402]  112.65 42.43 180 top
R181  0ohm  [0402]  112.75 149.28 90 top
R182  0ohm  [0402]  113.45 95.88 0 top
R183  0ohm  [0603]  113.45 94.28 0 top
R184  0ohm  [0603]  113.45 92.78 0 top
R185  680k  [0402]  113.45 41.56 0 top
R186  0ohm  [0402]  113.75 149.28 90 top
R187  0ohm  [0402]  114.75 54.68 0 top
R188  100k  [0402]  114.75 53.78 180 top
R189  0ohm  [0402]  115.05 75.18 90 top
R190  100k  [0402]  115.45 49.38 0 top
R191  0ohm  [0402]  115.95 46.88 90 top
R192  0ohm  [0402]  116.65 63.78 90 top
R193  0.01ohm  [RES_04_SMD_015X032]  116.67 139.82 270 top
R194  0ohm  [0402]  117.15 75.18 90 top
R195  680k  [0402]  117.19 47.47 270 top
R196  47k  [0402]  117.72 97.2 180 top
R197  0ohm  [0402]  117.85 38.78 180 top
R198  0ohm  [0402]  118.05 75.18 90 top
R199  10ohm  [0402]  118.05 48.08 90 top
R200  47k  [0402]  118.95 63.33 0 top
R201  10ohm  [0402]  119.05 48.08 90 top
R202  0ohm  [0402]  121.05 63.88 90 top
R203  1M  [0402]  121.35 17.38 0 top
R204  20k  [0402]  121.35 16.38 0 top
R205  47k  [0402]  121.38 97.28 0 top
R206  0ohm  [0402]  121.4 75.91 180 top
R207  0ohm  [0402]  121.4 75 180 top
R208  10ohm  [0402]  122.85 93.88 270 top
R209  0ohm  [0402]  123.27 63.88 270 top
R210  10ohm  [0402]  123.85 93.88 270 top
R211  680k  [0402]  124.15 44.6 90 top
R212  24.3k  [0402]  125.55 56.18 90 top
R213  10ohm  [0402]  125.55 43.43 0 top
R214  10ohm  [0402]  125.55 42.43 0 top
R215  47k  [0402]  125.82 46.95 180 top
R216  100ohm  [0402]  125.62 149.46 180 top
R217  1k  [0402]  126.85 57.68 180 top
R218  0ohm  [0402]  127.15 94.28 90 top
R219  61.9k  [0402]  127.35 56.38 270 top
R220  0ohm  [0402]  128.35 159.48 90 top
R221  0ohm  [0603]  128.75 97.18 180 top
R222  0ohm  [0402]  128.95 16.28 0 top
R223  0ohm  [0402]  128.95 12.88 0 top
R224  0ohm  [0402]  129.35 159.48 90 top
R225  0.005ohm  [RES_04_SMD_015X032]  129.75 34.78 0 top
R226  0ohm  [0402]  130.35 159.48 90 top
R227  100ohm  [0402]  130.95 152.88 90 top
R228  47k  [0402]  131.55 96.98 90 top
R229  0ohm  [0402]  131.85 158.78 270 top
R230  0ohm  [0402]  132.35 149.78 90 top
R231  0ohm  [0402]  132.45 96.98 270 top
R232  10k  [0402]  133.15 54.88 180 top
R233  10k  [0402]  133.15 53.98 0 top
R234  10k  [0402]  133.15 53.08 0 top
R235  47k  [0402]  133.32 96.98 90 top
R236  10k  [0402]  134.2 96.98 90 top
R237  100k  [0402]  134.95 155.38 0 top
R238  0ohm  [0402]  135.07 96.98 90 top
R239  10k  [0402]  137.15 146.88 180 top
R240  10k  [0402]  137.15 145.98 0 top
R241  10k  [0402]  137.15 145.08 0 top
R242  47k  [0402]  137.95 77.78 180 top
R243  10ohm  [0603]  141.65 17.68 0 top
R244  47k  [0402]  142.15 93.8 90 top
R246  10k  [0402]  143.55 53.68 180 top
R247  10k  [0402]  143.55 52.68 180 top
R248  10k  [0402]  143.55 51.78 180 top
R249  10k  [0402]  143.55 50.88 0 top
R250  1k  [0402]  143.75 17.78 0 top
R251  121k  [0402]  143.75 16.78 0 top
R252  1M  [0402]  143.9 32.98 270 top
R253  0ohm  [0402]  144.65 93.88 90 top
R254  10k  [0402]  144.75 32.98 90 top
R255  10k  [0402]  145.6 32.98 90 top
R256  22.1k  [0402]  145.85 17.28 90 top
R257  47k  [0402]  146.17 14.43 90 top
R259  10k  [0402]  147.45 145.78 180 top
R260  10k  [0402]  147.45 144.88 0 top
R261  47k  [0402]  150.8 13.05 270 top
R262  47k  [0402]  155.79 10.7 180 top
R263  47k  [0402]  156.57 11.98 90 top
R264  0ohm  [1206]  164.4 146.32 180 top
R265  0.02ohm  [RES_04_SMD_32X016_B]  165.45 141.98 90 top
R266  47k  [0402]  171.45 129.68 0 top
R267  47k  [0402]  171.45 128.08 0 top
R268  0ohm  [0402]  171.45 126.48 180 top
R269  0ohm  [0402]  171.45 125.48 180 top
R270  0ohm  [0402]  171.45 122.28 180 top
R271  47k  [0402]  171.45 121.38 0 top
R272  100k  [0402]  173.55 143.18 90 top
R273  10k  [0402]  174.55 143.18 90 top
R274  47k  [0402]  175.55 143.18 270 top
R300  100ohm  [0402]  78 42.83 0 top
R301  100k  [0402]  52 46.83 0 top
R302  27.4k  [0402]  49.77 45.28 90 top
R303  10k  [0402]  49.77 47.03 90 top
R304  0ohm  [0402]  50.48 39.43 270 bottom
R305  0ohm  [0402]  79.07 30.08 0 top
R306  47k  [0402]  91.2 44.83 270 top
R307  121ohm  [0402]  92.77 38.75 180 top
R308  100ohm  [0603]  26.85 45.18 0 top
R309  470ohm  [0603]  32.95 52.58 180 top
R310  0ohm  [0402]  70.95 36.76 90 top
R311  0ohm  [0402]  117.75 52.18 270 top
R312  0ohm  [0402]  142.62 42 90 top
R313  0ohm  [0402]  171.45 120.38 180 top
R314  100k  [0402]  18.75 51.53 180 top
R315  100k  [0402]  20.62 49.85 270 top
R316  0ohm  [0402]  112.05 129.61 0 bottom
R317  0ohm  [0402]  112.05 128.13 0 bottom
R318  0ohm  [0402]  112.05 130.48 0 bottom
R319  0ohm  [0402]  112.05 127.2 0 bottom
R320  47k  [0402]  105.12 135.83 90 bottom
R321  1M  [0402]  143.4 47.8 0 top
R322  0ohm  [0402]  55.45 29.05 270 top
R323  4.7k  [0402]  66.58 22.01 270 top
R324  100k  [0402]  57.95 58.8 270 top
R325  100k  [0402]  58.83 58.8 270 top
R326  1M  [0402]  112.9 11.68 180 bottom
R327  1M  [0402]  142.57 12.36 180 bottom
R328  1M  [0402]  126.5 12.18 0 bottom
R329  1M  [0402]  148.9 7.53 270 bottom
R330  1M  [0402]  117.85 13.96 90 bottom
R331  1M  [0402]  121.4 13.61 90 top
R332  1M  [0402]  123.77 13.98 90 bottom
R333  1M  [0402]  122.9 13.96 90 bottom
R334  1M  [0402]  71.4 47.38 90 bottom
R335  1M  [0402]  68.6 47.41 90 bottom
R336  1M  [0402]  68.5 44.91 0 bottom
R337  1M  [0402]  67.6 47.41 90 bottom
R339  1M  [0402]  66.6 47.43 90 bottom
R340  1M  [0402]  66.5 44.3 0 top
R341  1M  [0402]  65.6 47.43 90 bottom
R342  0ohm  [0402]  64.55 52.03 270 top
R343  0ohm  [0402]  122.15 18.26 180 top
R344  1M  [0402]  146.78 2.75 0 bottom
R345  1M  [0402]  131.8 12.25 0 bottom
R346  1M  [0402]  27.35 48.5 270 top
R347  470ohm  [0603]  32.95 54.08 180 top
R348  0ohm  [0402]  29.95 57.85 180 top
R349  1.8k  [0402]  26.65 127.18 180 top
R501  10k  [0402]  166.45 147.78 0 bottom
R502  1M  [0402]  163.35 24.08 90 bottom
R503  47k  [0402]  163.35 22.48 90 bottom
R504  10k  [0402]  162.05 26.38 270 bottom
R505  1M  [0402]  161.05 26.38 90 bottom
R506  10k  [0402]  156.85 18.98 270 bottom
R507  0ohm  [0402]  156.45 20.48 0 bottom
R508  0ohm  [0402]  155.15 18.28 180 bottom
R509  10k  [0402]  155.15 17.28 0 bottom
R510  0ohm  [0402]  155.15 16.18 180 bottom
R511  0ohm  [0402]  153.45 18.28 0 bottom
R512  3.3ohm  [0603]  155.05 29.08 90 bottom
R513  10k  [0402]  152.65 17.28 0 bottom
R514  75k  [0402]  149.6 20.52 180 bottom
R515  1ohm  [0402]  149.6 18.52 180 bottom
R516  47k  [0402]  145.09 137.44 270 bottom
R517  0ohm  [0402]  127.55 15.58 270 bottom
R518  0ohm  [0402]  122.62 62.63 90 bottom
R519  0ohm  [0402]  121.72 62.6 90 bottom
R520  47k  [0402]  120 57.98 0 bottom
R521  47k  [0402]  119.62 87.73 270 bottom
R522  10k  [0402]  115.9 24.45 90 bottom
